# Altium PCB main.PcbDoc (part 2 of 3) (continued)
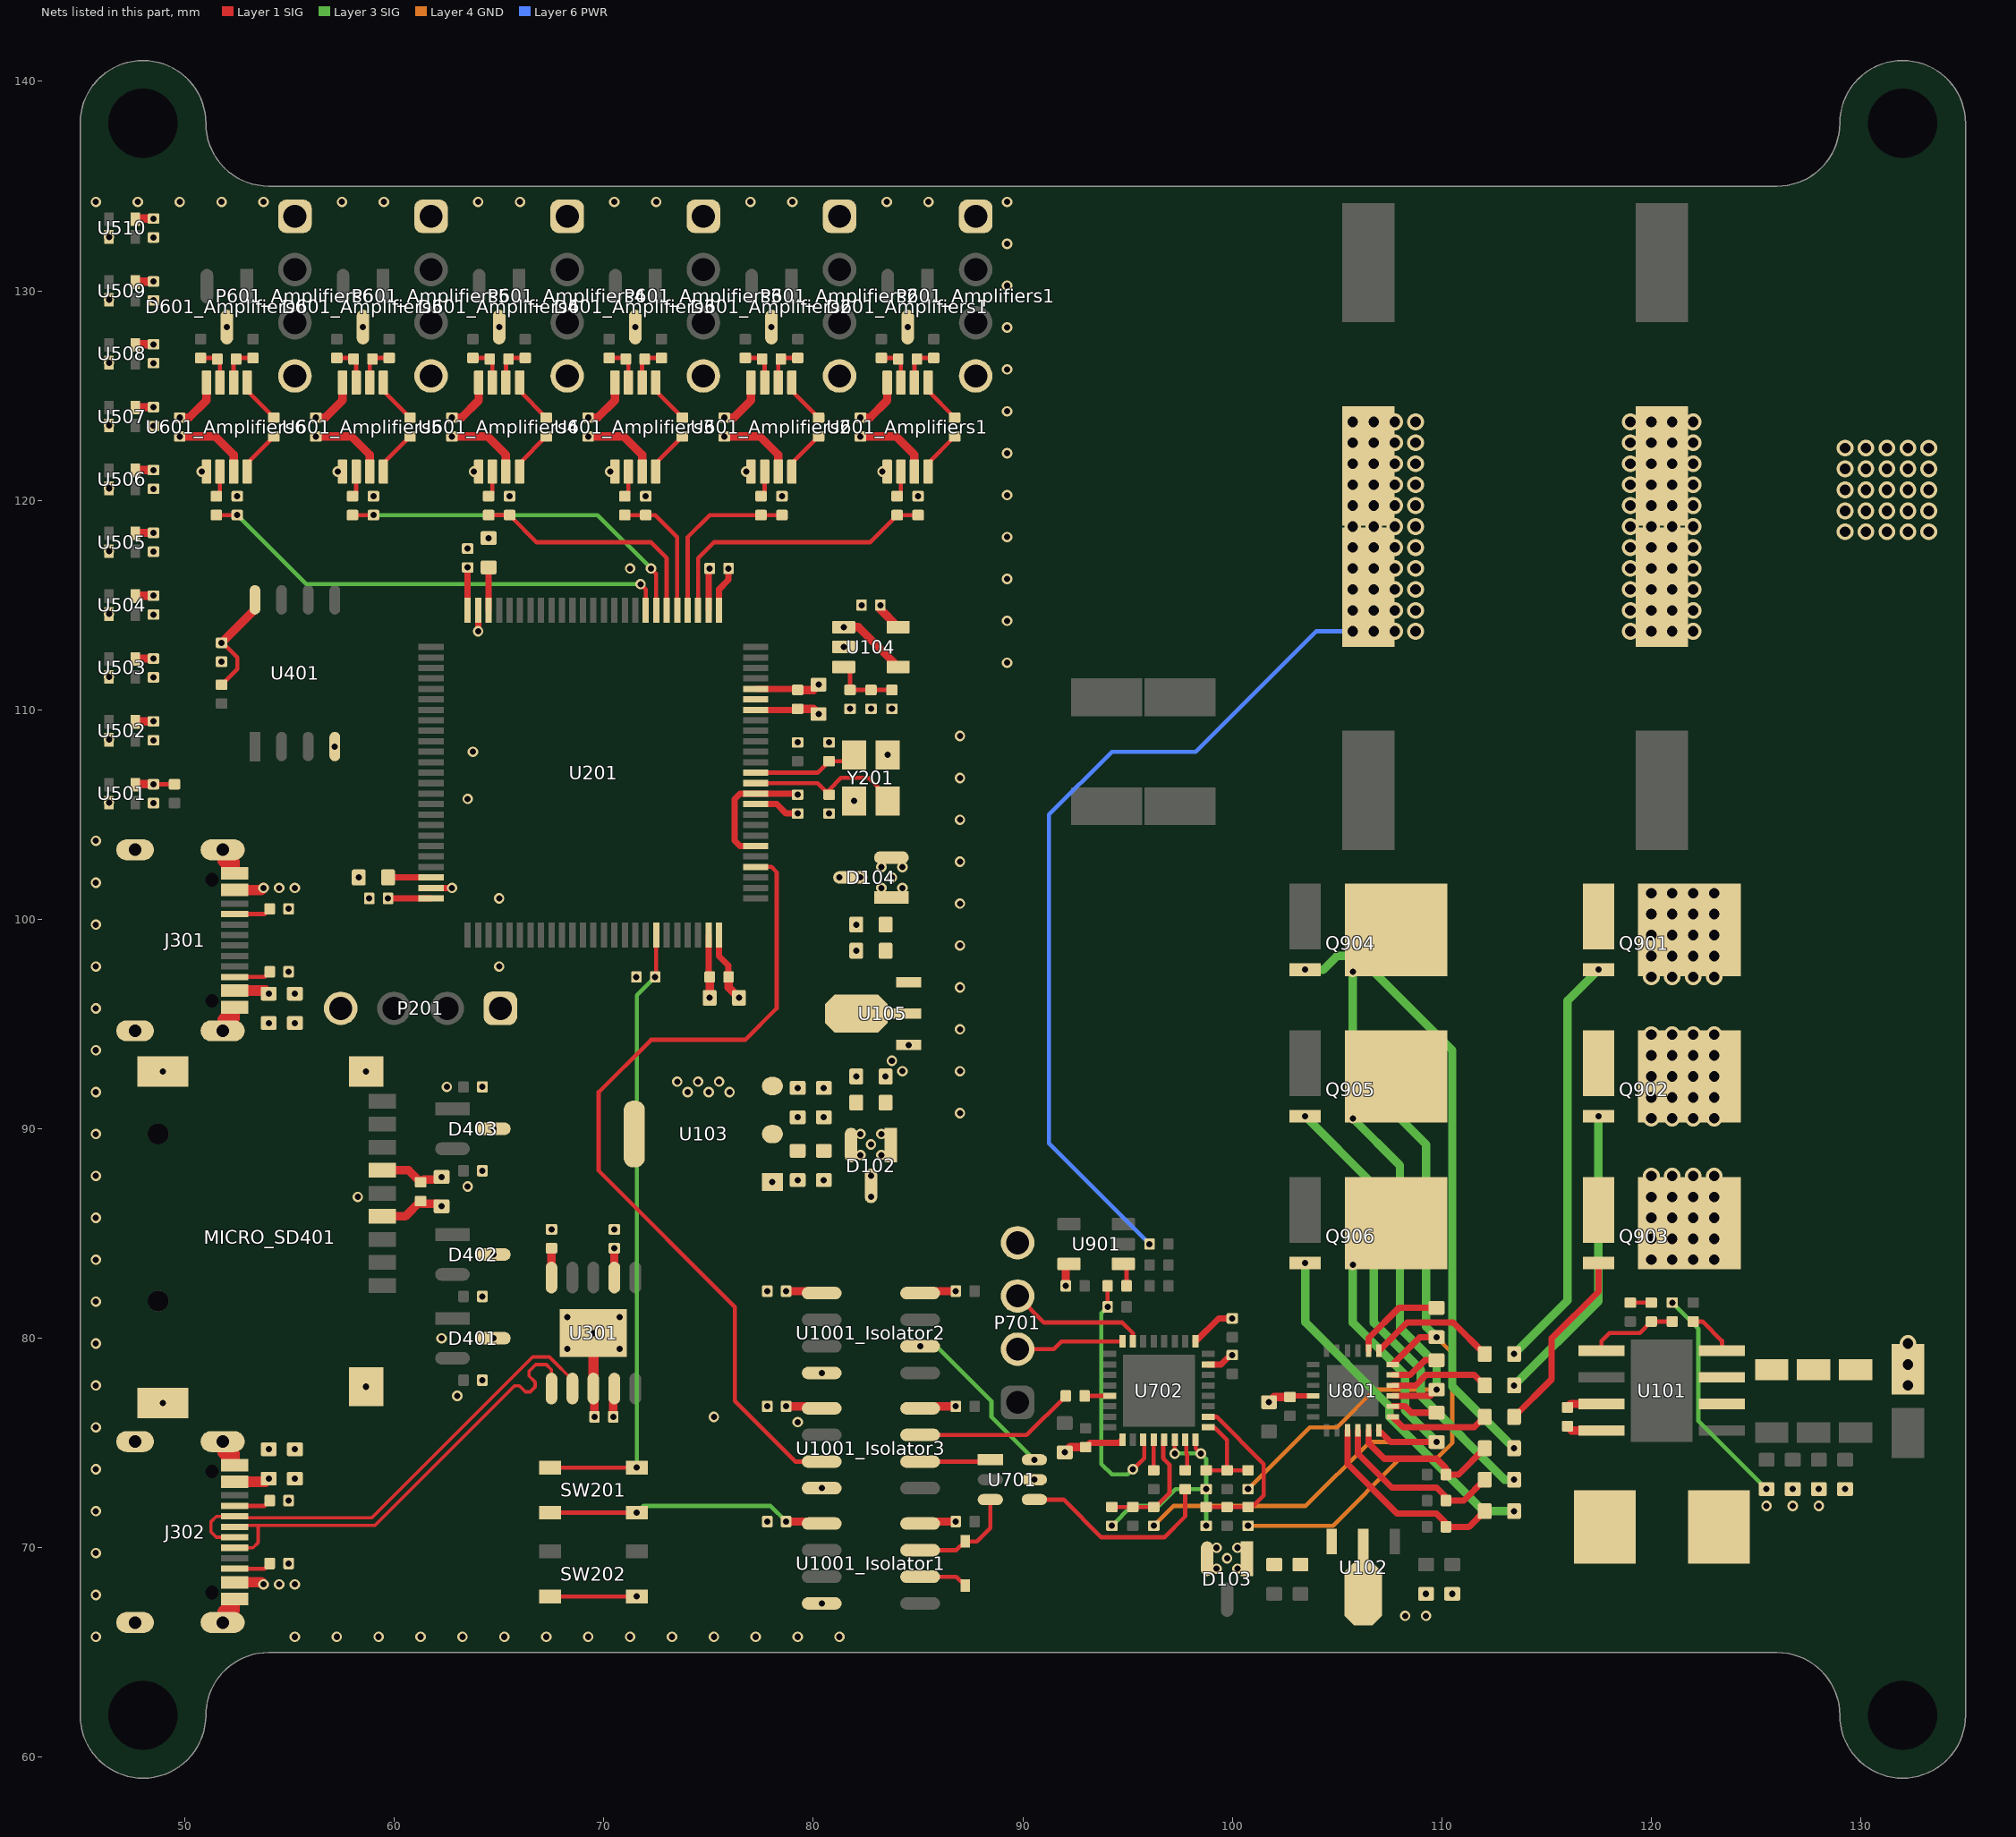
[diagram p6: the nets of this part, all layers, seen from the top]
## Via types
v1: diameter 0.5, hole 0.3, Layer 1 SIG to Layer 6 PWR, tented both sides, 471 vias
v2: diameter 0.8, hole 0.5, Layer 1 SIG to Layer 6 PWR, tented both sides, 428 vias
v3: diameter 0.63, hole 0.33, Layer 1 SIG to Layer 6 PWR, 6 vias

## Nets (pads, with @x,y where several pads share a name; then routed paths per layer and width w, separated by ;. In a path a pad name is that pad's centre, name@x,y a point inside that pad or via, vN(x,y) a via of type N, cw(c..) or ccw(c..) an arc to the next point about the centre after c; other vN are vias at no path point)
"+1.65 REF": U104.1 U104.4 U601_Amplifiers1.5 U601_Amplifiers2.5 U601_Amplifiers3.5 U601_Amplifiers4.5 U601_Amplifiers5.5 U601_Amplifiers6.5 | length 3.4
  Layer 1 SIG w0.4: v1(81.45,113.95) 82.15,113.95 U104.4@84.05,112.05
  other v1: 50.8,121.375 57.3,121.375 63.8,121.375 70.3,121.375 76.8,121.375 83.3,121.375
"+3.3 A": C121.1 C125.1 C126.1 C209.1 C210.1 C601_Amplifiers1.1 C601_Amplifiers2.1 C601_Amplifiers3.1 C601_Amplifiers4.1 C601_Amplifiers5.1 C601_Amplifiers6.1 D104.1 D104.2 P601_Amplifiers1.4 P601_Amplifiers2.4 P601_Amplifiers3.4 P601_Amplifiers4.4 P601_Amplifiers5.4 P601_Amplifiers6.4 R105.1 U104.5 U105.3 U201.20 U201.21 U601_Amplifiers1.7 U601_Amplifiers2.7 U601_Amplifiers3.7 U601_Amplifiers4.7 U601_Amplifiers5.7 U601_Amplifiers6.7 | length 27
  Layer 1 SIG w0.3: U201.21@77.25,111 79.2,111 C210.1@79.25,110.95
  Layer 1 SIG w0.4: v1(49.75,123.05) 51.45,123.05 52.325,122.175 U601_Amplifiers6.7@52.325,121.375 ; v1(56.25,123.05) 57.95,123.05 58.825,122.175 U601_Amplifiers5.7@58.825,121.375 ; v1(62.75,123.05) 64.45,123.05 65.325,122.175 U601_Amplifiers4.7@65.325,121.375 ; v1(69.25,123.05) 70.95,123.05 71.825,122.175 U601_Amplifiers3.7@71.825,121.375 ; v1(75.75,123.05) 77.45,123.05 78.325,122.175 U601_Amplifiers2.7@78.325,121.375 ; C210.1@79.25,110.95 80,110.95 v1(80.25,111.2) ; v1(82.25,123.05) 83.95,123.05 84.825,122.175 U601_Amplifiers1.7@84.825,121.375 ; v1(83.2,115) 83.2,114.8 U104.5@84.05,113.95
  other v1: 83.25,101.5 84.25,101.5 83.75,102 83.25,102.5 84.25,102.5 83.75,110.05
"+3.3 D": C119.1 C120.1 C201.1 C202.1 C203.1 C204.1 C205.1 C206.1 C302.1 C401.1 C402.1 C403.1 C1001_Isolator1.1 C1001_Isolator2.1 C1001_Isolator3.1 D102.1 D102.2 MICRO_SD401.4 P201.4 R401.1 R402.1 R403.1 R404.1 R405.1 SW201.1 SW201.2 U103.2 U103.4 U201.6 U201.11 U201.27 U201.50 U201.75 U201.100 U301.7 U401.8 U1001_Isolator1.1 U1001_Isolator2.1 U1001_Isolator3.1 | length 42.7
  Layer 1 SIG w0.2: R401.1@51.75,111.2 52.5,111.95 52.5,112.5 51.8,113.2 v1(51.75,113.2) ; SW201.2@67.425,71.675 v1(71.575,71.675)
  Layer 1 SIG w0.3: v1(59.7,101) U201.75@61.75,101 ; U201.50@63.5,114.75 v1(63.5,116.8) ; U201.27@75,114.75 75,116.7 v1(75.05,116.75) ; U201.100@75.5,99.25 75.5,98.25 75.95,97.8 C206.1@75.95,97.25 ; U201.6@77.25,103.5 76.5,103.5 76.25,103.75 76.25,105.75 76.5,106 U201.11@77.25,106 79.2,106 v1(79.25,105.95)
  Layer 1 SIG w0.4: v1(51.75,113.2) 53.345,114.795 U401.8@53.345,115.25 ; MICRO_SD401.4@59.424,85.82 60.52,85.82 C402.1@61.25,86.55 61.271,86.55 61.321,86.5 61.321,86.43 62.12,86.43 v1(62.25,86.3) ; U301.7@70.5,82.9 v1(70.5,84.3) ; C206.1@75.95,97.25 75.95,96.75 v1(76.45,96.25) ; v1(78.7,71.25) 80.305,71.25 U1001_Isolator1.1@80.4,71.155 ; v1(78.7,76.75) 80.305,76.75 U1001_Isolator3.1@80.4,76.655 ; v1(78.7,82.25) 80.305,82.25 U1001_Isolator2.1@80.4,82.155
  Layer 3 SIG w0.2: v1(71.575,71.675) 71.9,72 77.95,72 v1(78.7,71.25)
  other v1: 64.2,78 64.2,82 64.2,88 82.25,88.75 83.25,88.75 82.75,89.25 82.25,89.75 83.25,89.75 64.2,92
"+3.3 ESC": C115.1 C116.1 C701.1 C702.1 C703.1 C704.1 C905.1 C1002_Isolator1.1 C1002_Isolator2.1 C1002_Isolator3.1 D103.1 D103.2 P701.4 U102.3 U701.5 U702.1 U702.15 U702.17 U901.5 U1001_Isolator1.8 U1001_Isolator2.8 U1001_Isolator3.8 | length 12.9
  Layer 1 SIG w0.3: C702.1@93,74.8 93.2,75 94.6,75 U702.1@94.75,75.15 ; U702.17@98.25,79.85 99.35,80.95 v1(100,80.95) ; U702.15@98.85,78.75 99.463,78.75 99.913,79.2 v1(100,79.2)
  Layer 1 SIG w0.4: U1001_Isolator1.8@85.1,71.155 85.195,71.25 v1(86.8,71.25) ; U1001_Isolator3.8@85.1,76.655 85.195,76.75 v1(86.8,76.75) ; U1001_Isolator2.8@85.1,82.155 85.195,82.25 v1(86.8,82.25) ; v1(92,74.55) 92.25,74.8 C702.1@93,74.8 ; v1(92.05,82.5) 92.05,83.4 U901.5@92.2,83.55
  other v1: 99.25,69 100.25,69 99.75,69.5 99.25,70 100.25,70 90.55,73.25
"+5 USB": C109.1 C110.1 C111.1 C112.1 C117.1 C118.1 C123.1 C124.1 C301.1 C501.1 C502.1 C503.1 C504.1 C505.1 C506.1 C507.1 C508.1 C509.1 C510.1 J301.A4B9 J301.B4A9 J302.A4B9 J302.B4A9 R501.1 U103.3 U105.2 U301.4 U501.2 U502.2 U503.2 U504.2 U505.2 U506.2 U507.2 U508.2 U509.2 U510.2 | length 17.4
  Layer 1 SIG w0.2: v1(48.5,106.45) R501.1@49.5,106.45
  Layer 1 SIG w0.4: U501.2@47.625,106.425 47.65,106.45 v1(48.5,106.45) ; U502.2@47.625,109.425 47.65,109.45 v1(48.5,109.45) ; U503.2@47.625,112.425 47.65,112.45 v1(48.5,112.45) ; U504.2@47.625,115.425 47.65,115.45 v1(48.5,115.45) ; U505.2@47.625,118.425 47.65,118.45 v1(48.5,118.45) ; U506.2@47.625,121.425 47.65,121.45 v1(48.5,121.45) ; U507.2@47.625,124.425 47.65,124.45 v1(48.5,124.45) ; U508.2@47.625,127.425 47.65,127.45 v1(48.5,127.45) ; U509.2@47.625,130.425 47.65,130.45 v1(48.5,130.45) ; U510.2@47.625,133.425 47.65,133.45 v1(48.5,133.45) ; v1(70.45,76.25) 70.45,77.55 U301.4@70.5,77.6
  Layer 1 SIG w0.5: J302.B4A9@52.379,68.35 53.65,68.35 v1(53.75,68.25) ; J302.A4B9@52.379,73.15 53.85,73.15 v1(54,73.3) ; J301.B4A9@52.379,96.6 53.85,96.6 v1(54,96.45) ; J301.A4B9@52.379,101.4 53.65,101.4 v1(53.75,101.5)
  other v1: 54.5,68.25 55.25,68.25 55.25,73.3 74,91.75 75,91.75 76,91.75 79.25,91.95 80.5,91.95 73.5,92.25 74.5,92.25 75.5,92.25 82.05,92.5 55.25,96.45 54.5,101.5 55.25,101.5
"+12 BUCK": C102.1 C103.1 C104.1 C105.1 C113.1 C114.1 C801.1 C802.1 L101.2 R101.1 U102.2 U801.4 | length 13
  Layer 1 SIG w0.25: C802.1@102.75,77.2 102.8,77.25 U801.4@103.85,77.25
  Layer 1 SIG w0.4: v1(101.75,76.95) 102,77.2 C802.1@102.75,77.2
  Layer 3 SIG w0.2: v1(121,81.7) 122.25,80.45 122.25,76.05 v1(125.5,72.8)
  other v1: 108.25,66.75 109.25,66.75 109.25,67.8 110.5,67.8 125.5,72 126.75,72 128,72 126.75,72.8 128,72.8 129.25,72.8
+BATT: C106.1 C107.1 C108.1 C901.2 C902.2 C903.2 C904.2 D101.1 Q901.5-6-7-8 Q902.5-6-7-8 Q903.5-6-7-8 R910.2 U101.2 U101.3 | length 40.6
  Layer 6 PWR w0.2: v1(96.05,84.5) 91.25,89.3 91.25,105 94.25,108 98.25,108 104,113.75 v2(105.75,113.75)
  other v2: 132.25,77.75 132.25,78.75 132.25,79.75 120,83.75 121,83.75 122,83.75 123,83.75 120,84.75 121,84.75 122,84.75 123,84.75 120,85.75 121,85.75 122,85.75 123,85.75 120,86.75 121,86.75 122,86.75 123,86.75 120,87.75 121,87.75 122,87.75 123,87.75 120,90.5 121,90.5 122,90.5 123,90.5 120,91.5 121,91.5 122,91.5 123,91.5 120,92.5 121,92.5 122,92.5 123,92.5 120,93.5 121,93.5 122,93.5 123,93.5 120,94.5 121,94.5 122,94.5 123,94.5 120,97.25 121,97.25 122,97.25 123,97.25 120,98.25 121,98.25 122,98.25 123,98.25 120,99.25 121,99.25 122,99.25 123,99.25 120,100.25 121,100.25 122,100.25 123,100.25 120,101.25 121,101.25 122,101.25 123,101.25 106.75,113.75 107.75,113.75 108.75,113.75 119,113.75 120,113.75 121,113.75 122,113.75 105.75,114.75 106.75,114.75 107.75,114.75 108.75,114.75 119,114.75 120,114.75 121,114.75 122,114.75 105.75,115.75 106.75,115.75 107.75,115.75 108.75,115.75 119,115.75 120,115.75 121,115.75 122,115.75 105.75,116.75 106.75,116.75 107.75,116.75 108.75,116.75 119,116.75 120,116.75 121,116.75 122,116.75 105.75,117.75 106.75,117.75 107.75,117.75 108.75,117.75 119,117.75 120,117.75 121,117.75 122,117.75 129.25,118.5 130.25,118.5 131.25,118.5 132.25,118.5 133.25,118.5 105.75,118.75 106.75,118.75 107.75,118.75 108.75,118.75 119,118.75 120,118.75 121,118.75 122,118.75 129.25,119.5 130.25,119.5 131.25,119.5 132.25,119.5 133.25,119.5 105.75,119.75 106.75,119.75 107.75,119.75 108.75,119.75 119,119.75 120,119.75 121,119.75 122,119.75 129.25,120.5 130.25,120.5 131.25,120.5 132.25,120.5 133.25,120.5 105.75,120.75 106.75,120.75 107.75,120.75 108.75,120.75 119,120.75 120,120.75 121,120.75 122,120.75 129.25,121.5 130.25,121.5 131.25,121.5 132.25,121.5 133.25,121.5 105.75,121.75 106.75,121.75 107.75,121.75 108.75,121.75 119,121.75 120,121.75 121,121.75 122,121.75 129.25,122.5 130.25,122.5 131.25,122.5 132.25,122.5 133.25,122.5 105.75,122.75 106.75,122.75 107.75,122.75 108.75,122.75 119,122.75 120,122.75 121,122.75 122,122.75 105.75,123.75 106.75,123.75 107.75,123.75 108.75,123.75 119,123.75 120,123.75 121,123.75 122,123.75
AMP_OUT_Amplifiers1: C603_Amplifiers1.1 R603_Amplifiers1.2 U201.28 | length 13.8
  Layer 1 SIG w0.2: U201.28@74.5,114.75 74.5,117.25 75.25,118 82.7,118 R603_Amplifiers1.2@84,119.3 C603_Amplifiers1.1@85,119.3
AMP_OUT_Amplifiers2: C603_Amplifiers2.1 R603_Amplifiers2.2 U201.29 | length 8.4
  Layer 1 SIG w0.2: U201.29@74,114.75 74,118.25 75.05,119.3 R603_Amplifiers2.2@77.5,119.3 C603_Amplifiers2.1@78.5,119.3
AMP_OUT_Amplifiers3: C603_Amplifiers3.1 R603_Amplifiers3.2 U201.30 | length 6.4
  Layer 1 SIG w0.2: R603_Amplifiers3.2@71,119.3 C603_Amplifiers3.1@72,119.3 72.45,119.3 73.5,118.25 U201.30@73.5,114.75
AMP_OUT_Amplifiers4: C603_Amplifiers4.1 R603_Amplifiers4.2 U201.31 | length 11.8
  Layer 1 SIG w0.2: R603_Amplifiers4.2@64.5,119.3 C603_Amplifiers4.1@65.5,119.3 66.8,118 72.25,118 73,117.25 U201.31@73,114.75
AMP_OUT_Amplifiers5: C603_Amplifiers5.1 R603_Amplifiers5.2 U201.32 | length 17.4
  Layer 1 SIG w0.2: R603_Amplifiers5.2@58,119.3 v1(59,119.3) ; v1(72.25,116.75) 72.5,116.5 U201.32@72.5,114.75
  Layer 3 SIG w0.2: v1(59,119.3) 69.7,119.3 v1(72.25,116.75)
AMP_OUT_Amplifiers6: C603_Amplifiers6.1 R603_Amplifiers6.2 U201.33 | length 23
  Layer 1 SIG w0.2: R603_Amplifiers6.2@51.5,119.3 v1(52.5,119.3) ; v1(71.75,116) 72,115.75 U201.33@72,114.75
  Layer 3 SIG w0.2: v1(52.5,119.3) 55.8,116 v1(71.75,116)
BEMF_A: R703.2 R704.1 R711.1 U702.10 | length 8.1
  Layer 1 SIG w0.2: R703.2@98.75,71.95 R711.1@99.75,71.95 R704.1@100.75,71.95 100.95,71.95 101.5,72.5 101.5,74 99.25,76.25 U702.10@98.85,76.25
BEMF_B: R705.2 R706.1 R710.1 U702.9 | length 4.6
  Layer 1 SIG w0.2: R705.2@98.75,73.7 R710.1@99.75,73.7 ; U702.9@98.85,75.75 99.15,75.75 99.75,75.15 R710.1@99.75,73.7 ; R706.1@100.75,73.7 R710.1@99.75,73.7
BEMF_C: R707.2 R708.1 R709.1 U702.5 | length 5.7
  Layer 1 SIG w0.2: R707.2@94.25,71.95 R709.1@95.25,71.95 R708.1@96.25,71.95 96.338,71.95 97,72.612 97,73.972 96.7,74.272 96.7,75.1 U702.5@96.75,75.15
BEMF_COM: R703.1 R705.1 R707.1 U702.6 U702.8 | length 11.4
  Layer 1 SIG w0.2: v1(97.25,74.5) U702.6@97.25,75.15 ; U702.8@98.25,75.15 98.25,74.75 v1(98.5,74.5)
  Layer 3 SIG w0.2: v1(94.25,71.05) 95.2,72 96.5,72 97.3,72.8 v1(98.75,72.8) ; v1(97.25,74.5) v1(98.5,74.5) 98.75,74.25 v1(98.75,72.8) ; v1(98.75,71.05) v1(98.75,72.8)
BOOT0: R201.1 SW201.3 SW201.4 U201.94 | length 30
  Layer 1 SIG w0.2: SW201.4@67.425,73.825 v1(71.575,73.825) ; v1(72.45,97.25) 72.5,97.3 U201.94@72.5,99.25
  Layer 3 SIG w0.2: v1(71.575,73.825) 71.575,96.375 v1(72.45,97.25)
BUCK_PH: C101.2 L101.1 U101.8 | length 1.7
  Layer 1 SIG w0.4: C101.2@116,75.8 116.205,75.595 U101.8@117.625,75.595
COM_D_N: J302.A7 J302.B7 U301.2 | length 23.2
  Layer 1 SIG w0.158: J302.A7@52.379,70.5 51.5,70.5 51.25,70.75 51.25,71.25 51.5,71.5 J302.B7@52.379,71.5 52.45,71.429 58.923,71.429 66.602,79.108 67.398,79.108 67.503,79.003 68.5,78.006 U301.2@68.5,77.6
COM_D_P: J302.A6 J302.B6 U301.1 | length 22.5
  Layer 1 SIG w0.158: J302.B6@52.379,70 53.25,70 53.5,70.25 53.5,71.071 ; J302.A6@52.379,71 52.45,71.071 53.5,71.071 ; U301.1@67.5,77.6 67.5,78.5 67.25,78.75 66.75,78.75 66.503,78.503 66.43,78.43 66.43,78.197 66.718,77.909 66.718,77.677 66.485,77.444 66.253,77.444 65.965,77.732 65.732,77.732 65.212,77.212 59.071,71.071 53.5,71.071
ESC_NRST: C705.1 U702.4 | length 1.5
  Layer 1 SIG w0.2: C705.1@96.25,73.7 U702.4@96.25,75.15
ESC_RX: D701.2 U1001_Isolator1.6 | length 2.3
  Layer 1 SIG w0.2: U1001_Isolator1.6@85.1,68.615 86.83,68.615 D701.2@87.25,68.195
ESC_SEL: U701.6 U1001_Isolator2.6 | length 8.1
  Layer 3 SIG w0.2: v1(85.1,79.615) 85.885,79.615 88.5,77 88.5,76.25 v1(90.55,74.2)
ESC_SIG: U701.1 U1001_Isolator3.6 | length 3.4
  Layer 1 SIG w0.2: U1001_Isolator3.6@85.1,74.115 88.365,74.115 U701.1@88.45,74.2
ESC_SIG_IN: R702.1 U701.4 | length 9.7
  Layer 1 SIG w0.2: U701.4@90.55,72.3 91.95,72.3 93.75,70.5 96.75,70.5 97.75,71.5 R702.1@97.75,72.8
ESC_SWCLK: P701.2 U702.24 | length 5.2
  Layer 1 SIG w0.2: P701.2@89.75,79.48 91.48,79.48 91.85,79.85 U702.24@94.75,79.85
ESC_SWDIO: P701.3 U702.23 | length 6.6
  Layer 1 SIG w0.2: P701.3@89.75,82.02 91.02,80.75 94.75,80.75 95.25,80.25 U702.23@95.25,79.85
ESC_TELEM: R701.2 U1001_Isolator3.7 | length 7.7
  Layer 1 SIG w0.2: U1001_Isolator3.7@85.1,75.385 90.185,75.385 R701.2@92.05,77.25
ESC_TX: D701.1 U701.3 U1001_Isolator1.7 | length 5.1
  Layer 1 SIG w0.2: U1001_Isolator1.7@85.1,69.885 86.83,69.885 D701.1@87.25,70.305 87.805,70.305 88.45,70.95 U701.3@88.45,72.3
FB: R101.2 R103.1 U101.5 | length 4.2
  Layer 1 SIG w0.2: U101.5@117.625,79.405 117.625,79.875 118,80.25 119.45,80.25 R103.1@120,80.8 R101.2@121,80.8
GHA: R901.1 U801.19 | length 6.2
  Layer 1 SIG w0.3: U801.19@107,79.4 108.35,80.75 110.55,80.75 R901.1@112.05,79.25
GHB: R902.1 U801.16 | length 4.8
  Layer 1 SIG w0.3: U801.16@107.65,77.75 108.75,77.75 109.25,78.25 111.55,78.25 R902.1@112.05,77.75
GHC: R903.1 U801.13 | length 4.8
  Layer 1 SIG w0.3: U801.13@107.65,76.25 108.15,75.75 111.55,75.75 R903.1@112.05,76.25
GLA: R904.1 R912.1 U801.11 | length 7.5
  Layer 1 SIG w0.3: U801.11@106.5,75.6 106.5,75 107.25,74.25 109.75,74.25 110.2,73.8 R912.1@110.2,73.5 110.8,73.5 R904.1@112.05,74.75
GLB: R905.1 R913.1 U801.10 | length 8.6
  Layer 1 SIG w0.3: U801.10@106,75.6 106,74.5 107.625,72.875 109.75,72.875 110.2,72.425 R913.1@110.2,72.25 111.05,72.25 R905.1@112.05,73.25
GLC: R906.1 R914.1 U801.9 | length 9.8
  Layer 1 SIG w0.3: U801.9@105.5,75.6 105.5,74 107.875,71.625 109.75,71.625 110.2,71.175 R914.1@110.2,71 111.3,71 R906.1@112.05,71.75
GND: C109.2 C110.2 C111.2 C112.2 C117.2 C118.2 C119.2 C120.2 C121.2 C122.2 C123.2 C124.2 C125.2 C126.2 C201.2 C202.2 C203.2 C204.2 C205.2 C206.2 C207.2 C208.2 C209.2 C210.2 C211.2 C212.2 C213.2 C301.2 C302.2 C303.2 C401.2 C402.2 C403.2 C501.2 C502.2 C503.2 C504.2 C505.2 C506.2 C507.2 C508.2 C509.2 C510.2 C601_Amplifiers1.2 C601_Amplifiers2.2 C601_Amplifiers3.2 C601_Amplifiers4.2 C601_Amplifiers5.2 C601_Amplifiers6.2 C603_Amplifiers1.2 C603_Amplifiers2.2 C603_Amplifiers3.2 C603_Amplifiers4.2 C603_Amplifiers5.2 C603_Amplifiers6.2 C1001_Isolator1.2 C1001_Isolator2.2 C1001_Isolator3.2 D102.3 D104.3 D401.3 D402.3 D403.3 D601_Amplifiers1.3 D601_Amplifiers2.3 D601_Amplifiers3.3 D601_Amplifiers4.3 D601_Amplifiers5.3 D601_Amplifiers6.3 J301.1 J301.2 J301.3 J301.4 J301.A1B12 J301.B1A12 J302.1 J302.2 J302.3 J302.4 J302.A1B12 J302.B1A12 MICRO_SD401.6 MICRO_SD401.MP1 MICRO_SD401.MP2 MICRO_SD401.MP3 MICRO_SD401.MP4 P201.1 P601_Amplifiers1.1 P601_Amplifiers2.1 P601_Amplifiers3.1 P601_Amplifiers4.1 P601_Amplifiers5.1 P601_Amplifiers6.1 R106.2 R201.2 R301.2 R302.2 R303.2 R304.2 SW202.3 SW202.4 U103.1 U104.2 U105.1 U201.10 U201.19 U201.26 U201.49 U201.74 U201.99 U301.3 U301.11 U401.4 U501.3 U502.3 U503.3 U504.3 U505.3 U506.3 U507.3 U508.3 U509.3 U510.3 U601_Amplifiers1.4 U601_Amplifiers2.4 U601_Amplifiers3.4 U601_Amplifiers4.4 U601_Amplifiers5.4 U601_Amplifiers6.4 U1001_Isolator1.4 U1001_Isolator2.4 U1001_Isolator3.4 Y201.2 Y201.4 | length 49.5
  Layer 1 SIG w0.2: SW202.3@67.425,67.675 v1(71.575,67.675)
  Layer 1 SIG w0.3: U201.74@61.75,101.5 v1(62.75,101.5) ; v1(64,113.75) U201.49@64,114.75 ; U201.99@75,99.25 75,97.3 C206.2@75.05,97.25 ; U201.26@75.5,114.75 75.5,115.75 75.95,116.2 v1(75.95,116.75) ; U201.10@77.25,105.5 78.25,105.5 78.7,105.05 v1(79.25,105.05) ; U201.19@77.25,110 79.2,110 C210.2@79.25,110.05
  Layer 1 SIG w0.4: v1(49.75,123.95) 50.2,123.95 51.025,124.775 U601_Amplifiers6.4@51.025,125.625 ; v1(56.25,123.95) 56.7,123.95 57.525,124.775 U601_Amplifiers5.4@57.525,125.625 ; MICRO_SD401.6@59.424,88.02 60.68,88.02 C402.2@61.25,87.45 61.275,87.45 61.395,87.57 62.12,87.57 v1(62.25,87.7) ; v1(62.75,123.95) 63.2,123.95 64.025,124.775 U601_Amplifiers4.4@64.025,125.625 ; v1(69.25,123.95) 69.7,123.95 70.525,124.775 U601_Amplifiers3.4@70.525,125.625 ; U301.3@69.5,77.6 69.55,77.55 v1(69.55,76.25) ; v1(75.05,96.25) C206.2@75.05,97.25 ; v1(75.75,123.95) 76.2,123.95 77.025,124.775 U601_Amplifiers2.4@77.025,125.625 ; C210.2@79.25,110.05 80,110.05 v1(80.25,109.8) ; v1(82.25,123.95) 82.7,123.95 83.525,124.775 U601_Amplifiers1.4@83.525,125.625
  Layer 1 SIG w0.5: U301.3@69.5,77.6 v1(69.5,80.25) ; J302.2@51.801,66.43 51.801,66.972 J302.B1A12@52.379,67.55 52.379,67.008 J302.2@51.801,66.43 ; 51.801,74.528 J302.1@51.801,75.07 52.379,74.492 J302.A1B12@52.379,73.95 51.801,74.528 ; J301.2@51.801,94.68 52.379,95.258 J301.B1A12@52.379,95.8 51.801,95.222 J301.2@51.801,94.68 ; 51.801,102.778 J301.A1B12@52.379,102.2 52.379,102.742 J301.1@51.801,103.32 51.801,102.778
  other v1: 45.75,65.75 55.25,65.75 57.25,65.75 59.25,65.75 61.25,65.75 63.25,65.75 65.25,65.75 67.25,65.75 69.25,65.75 71.25,65.75 73.25,65.75 75.25,65.75 77.25,65.75 79.25,65.75 81.25,65.75 80.4,67.345 45.75,67.75 54.95,69.25 45.75,69.75 77.8,71.25 45.75,71.75 54.95,72.25 80.4,72.845 45.75,73.75 54,74.7 55.25,74.7 45.75,75.75 79.25,76 75.25,76.25 77.8,76.75 48.95,76.914 63,77.25 58.65,77.689 45.75,77.75 80.4,78.345 68.25,79.5 70.75,79.5 45.75,79.75 62.25,80 64.725,80 68.25,81 70.75,81 45.75,81.75 77.8,82.25 45.75,83.75 64.725,84 67.5,85.2 70.5,85.2 45.75,85.75 58.25,86.75 82.75,86.75 63.5,87.25 78.045,87.46 79.25,87.55 80.5,87.55 45.75,87.75 82.75,87.75 45.75,89.75 64.725,90 79.25,90.55 80.5,90.55 87,90.75 45.75,91.75 62.5,92 83.45,92.5 48.95,92.739 58.65,92.739 84.25,92.75 87,92.75 83.75,93.25 45.75,93.75 84.55,94 87,94.75 54,95.05 55.25,95.05 45.75,95.75 87,96.75 71.55,97.25 54.95,97.5 45.75,97.75 65,97.75 82.05,98.5 87,98.75 45.75,99.75 82.05,99.75 54.95,100.5 87,100.75 58.8,101 65,101 45.75,101.75 58.3,102 81.25,102 82.25,102 87,102.75 45.75,103.75 87,104.75 80.75,105.05 46.375,105.575 48.5,105.55 81.95,105.65 63.5,105.75 87,106.75 83.55,107.85 63.75,108 57.155,108.25 79.25,108.45 80.75,108.45 48.5,108.55 46.375,108.575 87,108.75 81.75,110.05 82.75,110.05 48.5,111.55 46.375,111.575 89.25,112.25 51.75,112.3 81.45,113 89.25,114.25 48.5,114.55 46.375,114.575 82.3,115 89.25,116.25 71.25,116.75 48.5,117.55 46.375,117.575 63.5,117.7 64.5,118.2 89.25,118.25 52.5,120.2 59,120.2 65.5,120.2 72,120.2 78.5,120.2 85,120.2 89.25,120.25 48.5,120.55 46.375,120.575 89.25,122.25 48.5,123.55 46.375,123.575 89.25,124.25 89.25,126.25 48.5,126.55 46.375,126.575 89.25,128.25 52,128.275 58.5,128.275 65,128.275 71.5,128.275 78,128.275 84.5,128.275 48.5,129.55 46.375,129.575 89.25,130.25 89.25,132.25 46.375,132.575 48.5,132.55 45.75,134.25 47.75,134.25 49.75,134.25 51.75,134.25 53.75,134.25 57.5,134.25 59.5,134.25 64,134.25 66,134.25 70.5,134.25 72.5,134.25 77,134.25 79,134.25 83.5,134.25 85.5,134.25 89.25,134.25
HSE_IN: C211.1 U201.12 Y201.1 | length 7.6
  Layer 1 SIG w0.2: U201.12@77.25,106.5 80.2,106.5 C211.1@80.75,105.95 80.75,106.178 81.322,106.75 82.646,106.75 83.55,105.846 Y201.1@83.55,105.65
HSE_OUT: C212.1 U201.13 Y201.3 | length 5.1
  Layer 1 SIG w0.2: U201.13@77.25,107 80.2,107 C212.1@80.75,107.55 81.65,107.55 Y201.3@81.95,107.85
I_SENSE: C906.1 R909.2 U702.3 | length 12.1
  Layer 1 SIG w0.2: v1(94.05,81.5) R909.2@94.05,82.5 ; v1(95.25,73.75) 95.278,73.75 95.8,74.272 95.8,75.1 U702.3@95.75,75.15
  Layer 3 SIG w0.2: v1(94.05,81.5) 93.75,81.2 93.75,74 94.25,73.5 95,73.5 v1(95.25,73.75)
MOT_A: C803.2 Q901.1-2-3 Q904.5-6-7-8 R704.2 U801.18 | length 38.5
  Layer 1 SIG w0.3: U801.18@107.65,78.75 108.95,80.05 v1(109.75,80.05)
  Layer 3 SIG w0.4: v1(105.75,97.5) 105.75,92.75 109.25,89.25 109.25,80.55 v1(109.75,80.05)
  Layer 4 GND w0.2: v1(100.75,71.05) 104.8,71.05 108,74.25 109.75,74.25 110.5,75 110.5,79.3 v1(109.75,80.05)
MOT_B: C804.2 Q902.1-2-3 Q905.5-6-7-8 R706.2 U801.15 | length 27.8
  Layer 1 SIG w0.3: U801.15@107.65,77.25 109.45,77.25 v1(109.75,77.55)
  Layer 3 SIG w0.4: v1(105.75,90.5) 108,88.25 108,80.5 109.75,78.75 v1(109.75,77.55)
  Layer 4 GND w0.2: v1(100.75,72.8) 103.7,75.75 105,75.75 106.8,77.55 v1(109.75,77.55)
MOT_C: C805.2 Q903.1-2-3 Q906.5-6-7-8 R708.2 U801.12 | length 28.2
  Layer 1 SIG w0.3: U801.12@107,75.6 107.55,75.05 v1(109.75,75.05)
  Layer 3 SIG w0.4: v1(105.75,83.5) 105.75,80.75 108.25,78.25 108.25,76.55 v1(109.75,75.05)
  Layer 4 GND w0.2: v1(96.25,71.05) 97.2,72 103.5,72 106.55,75.05 v1(109.75,75.05)
NetC101_1: C101.1 U101.7 | length 1.7
  Layer 1 SIG w0.4: C101.1@116,76.7 116.165,76.865 U101.7@117.625,76.865
NetC122_1: C122.1 R105.2 R106.1 U104.3 | length 3.2
  Layer 1 SIG w0.2: U104.3@81.45,112.05 81.75,111.75 C122.1@81.75,110.95 R106.1@82.75,110.95 R105.2@83.75,110.95
NetC207_1: C207.1 U201.73 | length 2.1
  Layer 1 SIG w0.3: C207.1@59.7,102 U201.73@61.75,102
NetC208_1: C208.1 U201.48 | length 2.1
  Layer 1 SIG w0.3: U201.48@64.5,114.75 C208.1@64.5,116.8
NetC303_1: C303.1 U301.10 | length 1.4
  Layer 1 SIG w0.4: U301.10@67.5,82.9 C303.1@67.5,84.3
NetC602_Amplifiers1_1: C602_Amplifiers1.1 R602_Amplifiers1.2 U601_Amplifiers1.2 | length 2
  Layer 1 SIG w0.2: U601_Amplifiers1.2@84.825,125.625 84.825,126.625 C602_Amplifiers1.1@84.95,126.75 85,126.8 R602_Amplifiers1.2@85.75,126.8
NetC602_Amplifiers1_2: C602_Amplifiers1.2 R604_Amplifiers1.2 U601_Amplifiers1.3 | length 2
  Layer 1 SIG w0.2: R604_Amplifiers1.2@83.25,126.8 84,126.8 C602_Amplifiers1.2@84.05,126.75 84.175,126.625 U601_Amplifiers1.3@84.175,125.625
NetC602_Amplifiers2_1: C602_Amplifiers2.1 R602_Amplifiers2.2 U601_Amplifiers2.2 | length 2
  Layer 1 SIG w0.2: U601_Amplifiers2.2@78.325,125.625 78.325,126.625 C602_Amplifiers2.1@78.45,126.75 78.5,126.8 R602_Amplifiers2.2@79.25,126.8
NetC602_Amplifiers2_2: C602_Amplifiers2.2 R604_Amplifiers2.2 U601_Amplifiers2.3 | length 2
  Layer 1 SIG w0.2: R604_Amplifiers2.2@76.75,126.8 77.5,126.8 C602_Amplifiers2.2@77.55,126.75 77.675,126.625 U601_Amplifiers2.3@77.675,125.625
NetC602_Amplifiers3_1: C602_Amplifiers3.1 R602_Amplifiers3.2 U601_Amplifiers3.2 | length 2
  Layer 1 SIG w0.2: U601_Amplifiers3.2@71.825,125.625 71.825,126.625 C602_Amplifiers3.1@71.95,126.75 72,126.8 R602_Amplifiers3.2@72.75,126.8
NetC602_Amplifiers3_2: C602_Amplifiers3.2 R604_Amplifiers3.2 U601_Amplifiers3.3 | length 2
  Layer 1 SIG w0.2: R604_Amplifiers3.2@70.25,126.8 71,126.8 C602_Amplifiers3.2@71.05,126.75 71.175,126.625 U601_Amplifiers3.3@71.175,125.625
NetC602_Amplifiers4_1: C602_Amplifiers4.1 R602_Amplifiers4.2 U601_Amplifiers4.2 | length 2
  Layer 1 SIG w0.2: U601_Amplifiers4.2@65.325,125.625 65.325,126.625 C602_Amplifiers4.1@65.45,126.75 65.5,126.8 R602_Amplifiers4.2@66.25,126.8
NetC602_Amplifiers4_2: C602_Amplifiers4.2 R604_Amplifiers4.2 U601_Amplifiers4.3 | length 2
  Layer 1 SIG w0.2: R604_Amplifiers4.2@63.75,126.8 64.5,126.8 C602_Amplifiers4.2@64.55,126.75 64.675,126.625 U601_Amplifiers4.3@64.675,125.625
NetC602_Amplifiers5_1: C602_Amplifiers5.1 R602_Amplifiers5.2 U601_Amplifiers5.2 | length 2
  Layer 1 SIG w0.2: U601_Amplifiers5.2@58.825,125.625 58.825,126.625 C602_Amplifiers5.1@58.95,126.75 59,126.8 R602_Amplifiers5.2@59.75,126.8
NetC602_Amplifiers5_2: C602_Amplifiers5.2 R604_Amplifiers5.2 U601_Amplifiers5.3 | length 2
  Layer 1 SIG w0.2: R604_Amplifiers5.2@57.25,126.8 58,126.8 C602_Amplifiers5.2@58.05,126.75 58.175,126.625 U601_Amplifiers5.3@58.175,125.625
NetC602_Amplifiers6_1: C602_Amplifiers6.1 R602_Amplifiers6.2 U601_Amplifiers6.2 | length 2
  Layer 1 SIG w0.2: U601_Amplifiers6.2@52.325,125.625 52.325,126.625 C602_Amplifiers6.1@52.45,126.75 52.5,126.8 R602_Amplifiers6.2@53.25,126.8
NetC602_Amplifiers6_2: C602_Amplifiers6.2 R604_Amplifiers6.2 U601_Amplifiers6.3 | length 2
  Layer 1 SIG w0.2: R604_Amplifiers6.2@50.75,126.8 51.5,126.8 C602_Amplifiers6.2@51.55,126.75 51.675,126.625 U601_Amplifiers6.3@51.675,125.625
NetC803_1: C803.1 U801.20 | length 4.5
  Layer 1 SIG w0.3: U801.20@106.5,79.4 106.5,80 107.95,81.45 C803.1@109.75,81.45
NetC804_1: C804.1 U801.17 | length 2.4
  Layer 1 SIG w0.3: U801.17@107.65,78.25 108.5,78.25 109.2,78.95 C804.1@109.75,78.95
NetC805_1: C805.1 U801.14 | length 2.2
  Layer 1 SIG w0.3: U801.14@107.65,76.75 108.25,76.75 108.55,76.45 C805.1@109.75,76.45
NetJ301_A5: J301.A5 R302.1 | length 1.8
  Layer 1 SIG w0.2: J301.A5@52.379,100.25 53.8,100.25 R302.1@54.05,100.5
NetJ301_B5: J301.B5 R301.1 | length 1.8
  Layer 1 SIG w0.2: J301.B5@52.379,97.25 53.8,97.25 R301.1@54.05,97.5
NetJ302_A5: J302.A5 R304.1 | length 1.8
  Layer 1 SIG w0.2: J302.A5@52.379,72 53.8,72 R304.1@54.05,72.25
NetJ302_B5: J302.B5 R303.1 | length 1.8
  Layer 1 SIG w0.2: J302.B5@52.379,69 53.8,69 R303.1@54.05,69.25
NetQ901_4: Q901.4 R901.2 | length 20
  Layer 3 SIG w0.4: v1(113.45,79.25) 116,81.8 116,96.115 v1(117.48,97.595)
NetQ902_4: Q902.4 R902.2 | length 14.5
  Layer 3 SIG w0.4: v1(113.45,77.75) 117.48,81.78 v1(117.48,90.595)
NetQ903_4: Q903.4 R903.2 | length 9
  Layer 1 SIG w0.3: R903.2@113.45,76.25 115.25,78.05 115.25,80 117.48,82.23 Q903.4@117.48,83.595
NetQ904_4: Q904.4 R904.2 | length 29.4
  Layer 3 SIG w0.4: v1(103.48,97.595) 104.345,97.595 105,98.25 106,98.25 110.5,93.75 110.5,77.7 v1(113.45,74.75)
NetQ905_4: Q905.4 R905.2 | length 21.7
  Layer 3 SIG w0.4: v1(103.48,90.595) 106.75,87.325 106.75,80.75 109,78.5 109,77.25 113,73.25 v1(113.45,73.25)
NetQ906_4: Q906.4 R906.2 | length 16.8
  Layer 3 SIG w0.4: v1(103.48,83.595) 103.48,80.77 107.5,76.75 107.5,76.25 112,71.75 v1(113.45,71.75)
NetR102_1: R102.1 U101.4 | length 2.2
  Layer 1 SIG w0.2: R102.1@122,80.8 122.45,80.8 123.375,79.875 U101.4@123.375,79.405
NetR103_2: R103.2 R104.1 | length 1
  Layer 1 SIG w0.2: R104.1@119,81.7 R103.2@120,81.7
NetR601_Amplifiers1_1: R601_Amplifiers1.1 U601_Amplifiers1.8 | length 2.2
  Layer 1 SIG w0.2: U601_Amplifiers1.8@85.475,121.375 85.475,121.775 R601_Amplifiers1.1@86.75,123.05
NetR601_Amplifiers1_2: R601_Amplifiers1.2 U601_Amplifiers1.1 | length 2.2
  Layer 1 SIG w0.2: U601_Amplifiers1.1@85.475,125.625 85.475,125.225 R601_Amplifiers1.2@86.75,123.95
NetR601_Amplifiers2_1: R601_Amplifiers2.1 U601_Amplifiers2.8 | length 2.2
  Layer 1 SIG w0.2: U601_Amplifiers2.8@78.975,121.375 78.975,121.775 R601_Amplifiers2.1@80.25,123.05
NetR601_Amplifiers2_2: R601_Amplifiers2.2 U601_Amplifiers2.1 | length 2.2
  Layer 1 SIG w0.2: U601_Amplifiers2.1@78.975,125.625 78.975,125.225 R601_Amplifiers2.2@80.25,123.95
NetR601_Amplifiers3_1: R601_Amplifiers3.1 U601_Amplifiers3.8 | length 2.2
  Layer 1 SIG w0.2: U601_Amplifiers3.8@72.475,121.375 72.475,121.775 R601_Amplifiers3.1@73.75,123.05
NetR601_Amplifiers3_2: R601_Amplifiers3.2 U601_Amplifiers3.1 | length 2.2
  Layer 1 SIG w0.2: U601_Amplifiers3.1@72.475,125.625 72.475,125.225 R601_Amplifiers3.2@73.75,123.95
NetR601_Amplifiers4_1: R601_Amplifiers4.1 U601_Amplifiers4.8 | length 2.2
  Layer 1 SIG w0.2: U601_Amplifiers4.8@65.975,121.375 65.975,121.775 R601_Amplifiers4.1@67.25,123.05
NetR601_Amplifiers4_2: R601_Amplifiers4.2 U601_Amplifiers4.1 | length 2.2
  Layer 1 SIG w0.2: U601_Amplifiers4.1@65.975,125.625 65.975,125.225 R601_Amplifiers4.2@67.25,123.95
NetR601_Amplifiers5_1: R601_Amplifiers5.1 U601_Amplifiers5.8 | length 2.2
  Layer 1 SIG w0.2: U601_Amplifiers5.8@59.475,121.375 59.475,121.775 R601_Amplifiers5.1@60.75,123.05
NetR601_Amplifiers5_2: R601_Amplifiers5.2 U601_Amplifiers5.1 | length 2.2
  Layer 1 SIG w0.2: U601_Amplifiers5.1@59.475,125.625 59.475,125.225 R601_Amplifiers5.2@60.75,123.95
NetR601_Amplifiers6_1: R601_Amplifiers6.1 U601_Amplifiers6.8 | length 2.2
  Layer 1 SIG w0.2: U601_Amplifiers6.8@52.975,121.375 52.975,121.775 R601_Amplifiers6.1@54.25,123.05
NetR601_Amplifiers6_2: R601_Amplifiers6.2 U601_Amplifiers6.1 | length 2.2
  Layer 1 SIG w0.2: U601_Amplifiers6.1@52.975,125.625 52.975,125.225 R601_Amplifiers6.2@54.25,123.95
NetR603_Amplifiers1_1: R603_Amplifiers1.1 U601_Amplifiers1.6 | length 1.2
  Layer 1 SIG w0.2: R603_Amplifiers1.1@84,120.2 84.175,120.375 U601_Amplifiers1.6@84.175,121.375
NetR603_Amplifiers2_1: R603_Amplifiers2.1 U601_Amplifiers2.6 | length 1.2
  Layer 1 SIG w0.2: R603_Amplifiers2.1@77.5,120.2 77.675,120.375 U601_Amplifiers2.6@77.675,121.375
NetR603_Amplifiers3_1: R603_Amplifiers3.1 U601_Amplifiers3.6 | length 1.2
  Layer 1 SIG w0.2: R603_Amplifiers3.1@71,120.2 71.175,120.375 U601_Amplifiers3.6@71.175,121.375
NetR603_Amplifiers4_1: R603_Amplifiers4.1 U601_Amplifiers4.6 | length 1.2
  Layer 1 SIG w0.2: R603_Amplifiers4.1@64.5,120.2 64.675,120.375 U601_Amplifiers4.6@64.675,121.375
NetR603_Amplifiers5_1: R603_Amplifiers5.1 U601_Amplifiers5.6 | length 1.2
  Layer 1 SIG w0.2: R603_Amplifiers5.1@58,120.2 58.175,120.375 U601_Amplifiers5.6@58.175,121.375
NetR603_Amplifiers6_1: R603_Amplifiers6.1 U601_Amplifiers6.6 | length 1.2
  Layer 1 SIG w0.2: R603_Amplifiers6.1@51.5,120.2 51.675,120.375 U601_Amplifiers6.6@51.675,121.375
NetR701_1: R701.1 U702.29 | length 1.2
  Layer 1 SIG w0.2: R701.1@92.95,77.25 U702.29@94.15,77.25
NetR702_2: R702.2 U702.7 | length 1.5
  Layer 1 SIG w0.2: R702.2@97.75,73.7 97.841,73.791 97.841,74.45 97.8,74.491 97.8,75.1 U702.7@97.75,75.15
NetR909_1: R909.1 U901.1 | length 1.1
  Layer 1 SIG w0.2: U901.1@94.8,83.55 94.95,83.4 R909.1@94.95,82.5
NetU201_4: U201.4 U1001_Isolator3.3 | length 40.5
  Layer 1 SIG w0.2: U201.4@77.25,102.5 78,102.5 78.25,102.25 78.25,95.75 76.75,94.25 72.25,94.25 69.75,91.75 69.75,88 76.25,81.5 76.25,77 79.135,74.115 U1001_Isolator3.3@80.4,74.115